# Altium PCB PCB1.PcbDoc (part 15 of 15)
Units mm, origin at the board's own origin, x right, y up, seen from the top; angles counter-clockwise.
Board outline 77.21 x 58.7 mm, 2 copper layers (Top Layer, Bottom Layer); 194 components, 134 nets, 25878 pads, 596 vias.
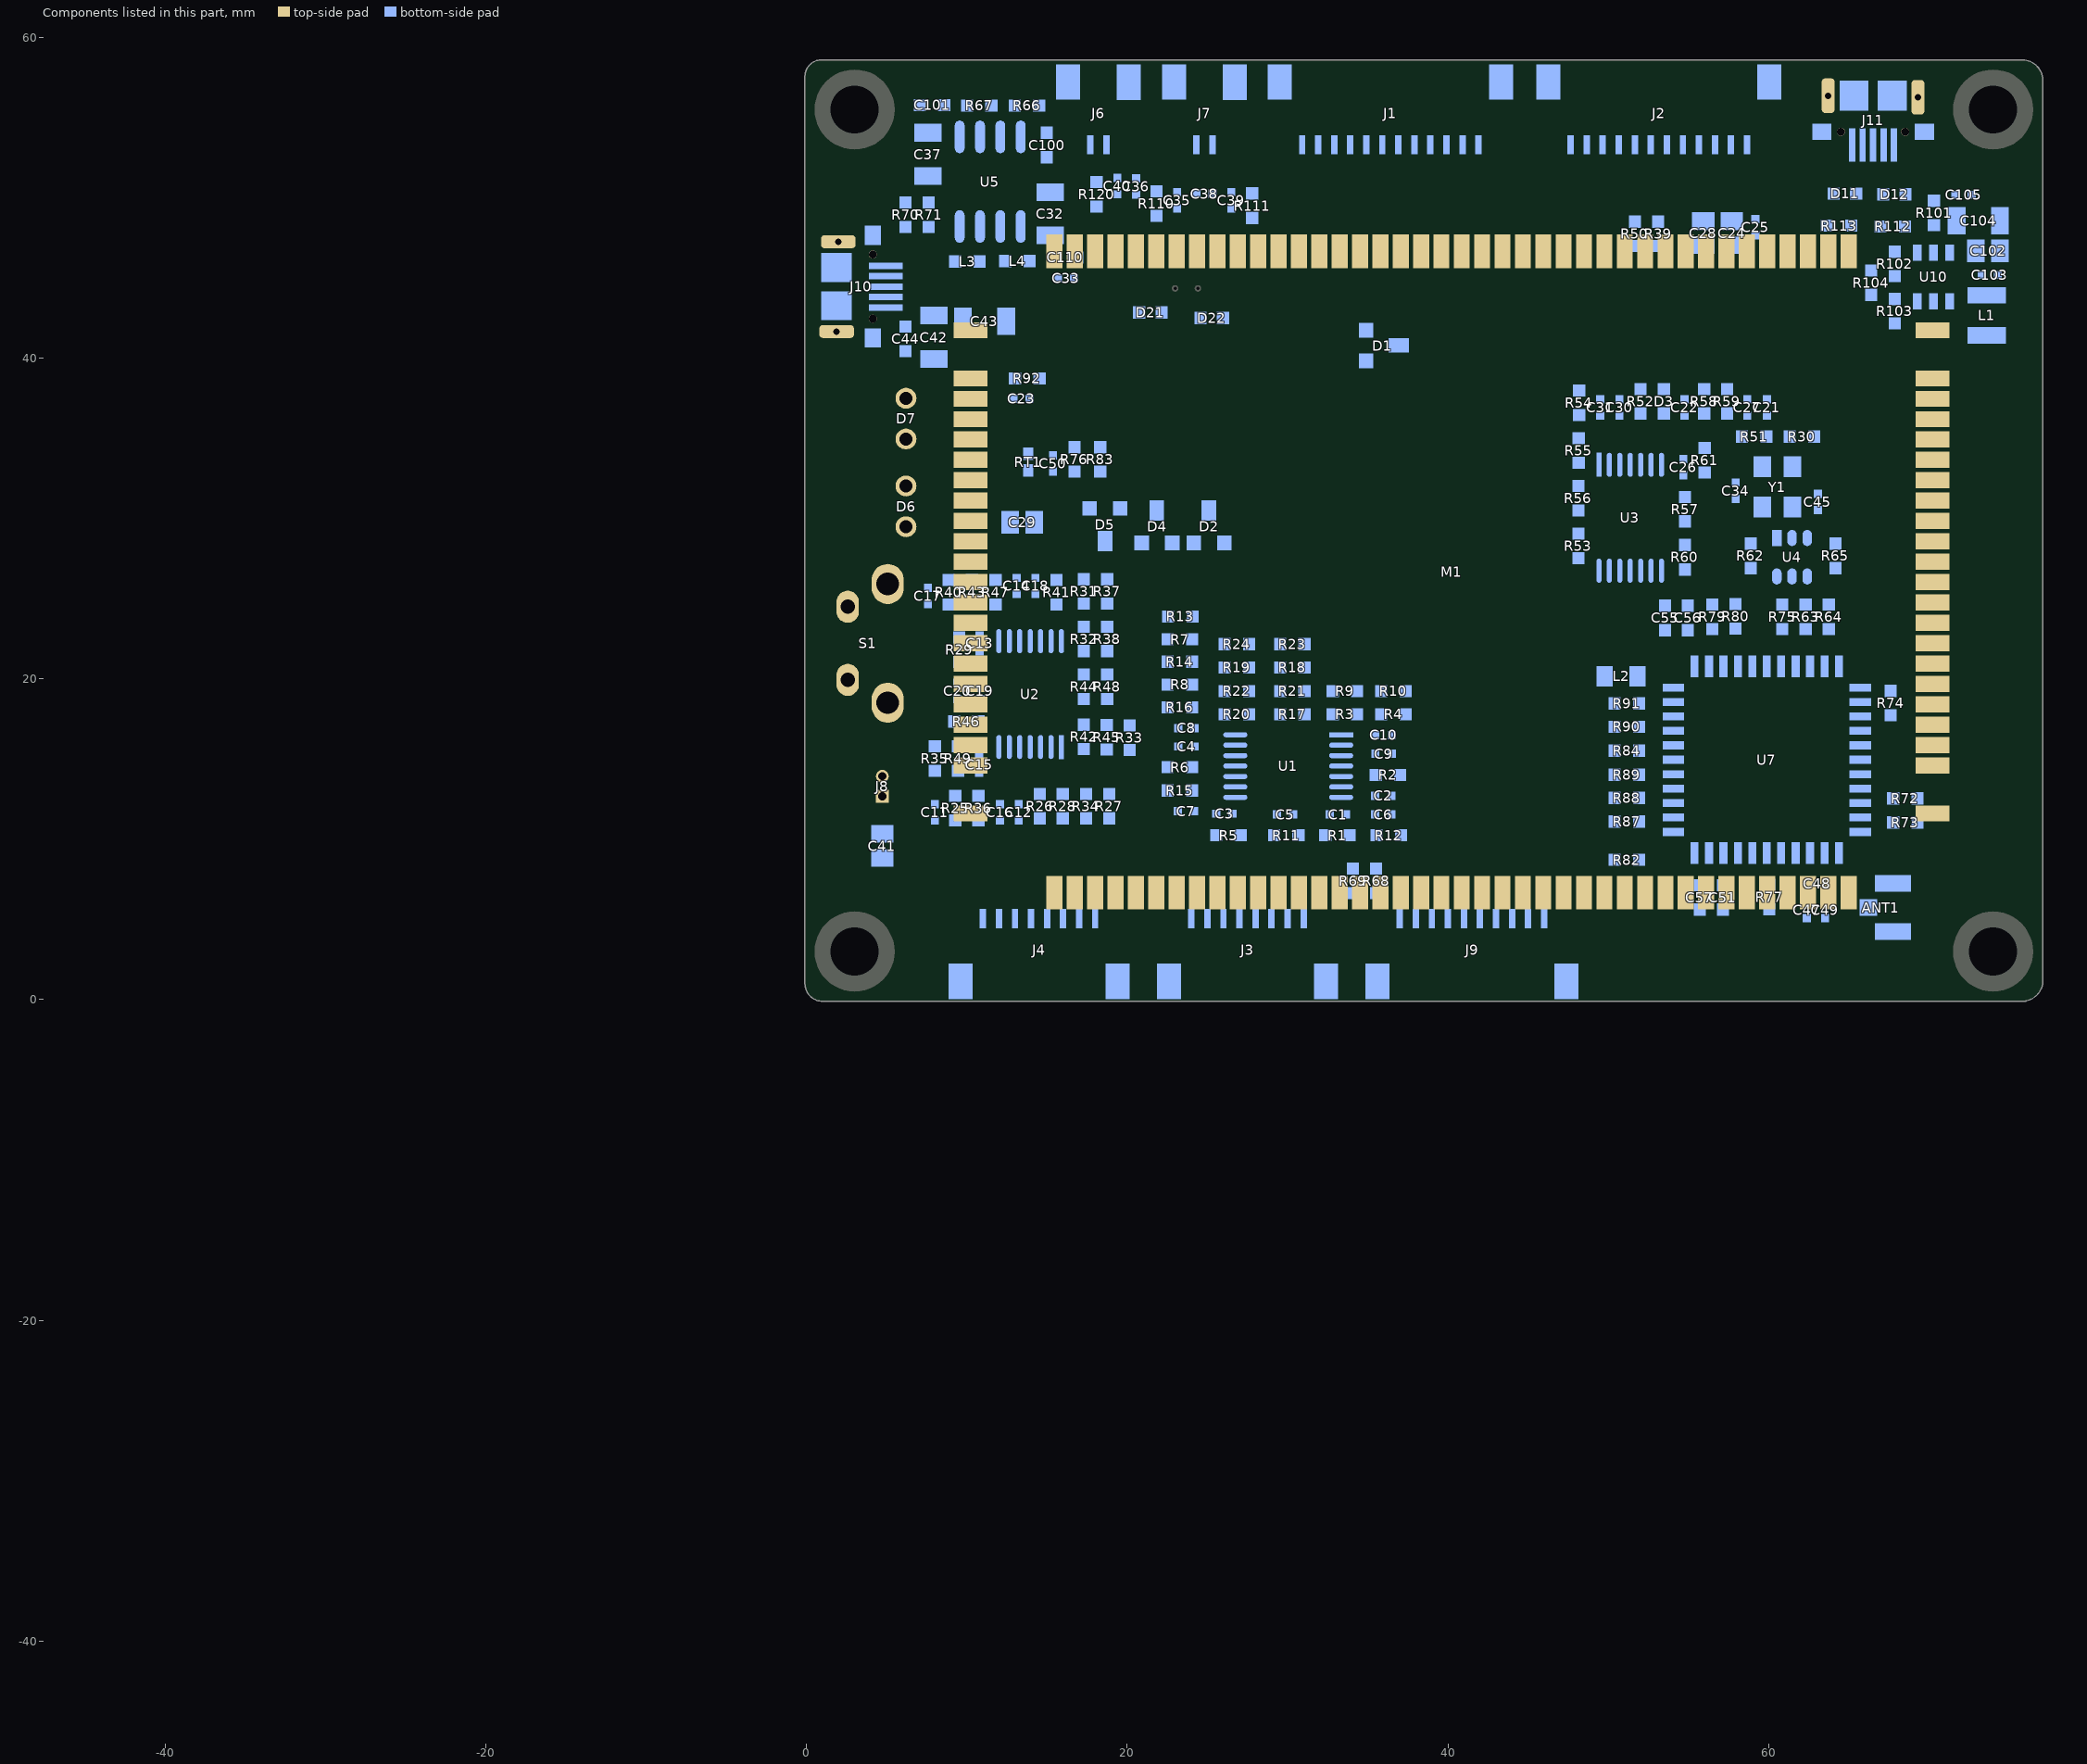
[diagram p15: the components of this part, seen from the top]

## Keep-outs
Keep-Out Layer:
  lines w0.2: -0.635,0 1,0 ; 0,-0.559 0,1 ; 0,54.712 0,56.159 0,57.5 cw(c0.948,57.552) 0.896,58.5 75.747,58.5 cw(c75.806,57.306) 77,57.364 77,55.864 77,54.737 77,1.016 ; 0,54.873 0,1 ; 75.87,0 ccw(c75.811,1.194) 77.006,1.253 ; 76,0 1,0 ; 0,1 ccw(c1,1) 1,0

## Other copper
Top Layer:
  pour cut-out: 61.189,48.514 61.189,47.727 62.763,47.727 62.967,47.93 62.967,48.336 62.941,48.336 62.789,48.489
  pour cut-out: 17.45,38.125 17.475,38.1 18.161,38.1 18.161,34.652 18.307,34.506 18.167,34.366 17.577,34.366 17.577,38.277 17.576,38.277
  pour cut-out: 37.623,45.417 37.623,45.141 38.024,45.542 44.12,45.542 44.12,45.441 44.272,45.288 44.171,45.187 37.643,45.187 37.617,45.212
  pour cut-out: 35.077,45.491 36.347,45.491 36.678,45.161 35.103,45.161 35.103,45.306 35.213,45.417
  pour cut-out: 47.015,45.517 47.523,45.009 47.523,42.171 47.168,41.815 45.136,43.847 45.136,44.628 46.025,45.517
  pour cut-out: 14.834,5.537 14.757,5.461 14.757,5.029 24.638,5.029 25.07,5.461
  pour cut-out: 55.042,5.486 60.579,5.486 61.304,4.762 61.304,4.05 60.853,4.05 60.206,3.404 57.48,3.404 57.468,3.415 57.379,3.326 56.997,3.326 56.631,2.959 56.464,3.125 54.995,3.125 54.995,5.265 55.147,5.417
  pour cut-out: 7.83,35.356 9.018,35.356 9.296,35.077 9.017,34.798 9.017,26.321 8.871,26.175 8.815,26.231 8.433,26.231 8.433,26.568 7.696,27.305 7.696,35.281
  pour cut-out: 33.731,4.597 33.757,4.572 33.757,3.912 35.027,3.912 35.357,4.242
  pour cut-out: 47.803,39.573 47.871,39.642 48.766,39.642 48.766,35.939 47.828,35.001 47.371,35.001 47.371,39.192 47.727,39.548
  pour cut-out: 48.285,45.491 54.864,45.491 55.042,45.314 54.737,45.009 54.737,40.488 54.491,40.488 53.727,39.724 53.186,40.265 51.452,40.265 51.319,40.398 50.167,39.246 50.167,38.551
  pour cut-out: 48.26,44.348 49.775,42.834 49.775,38.116 49.098,37.44 48.489,37.44 48.489,44.018 47.981,44.526
  pour cut-out: 66.097,40.007 69.072,40.007 69.063,39.997 69.063,23.978 66.269,23.978 66.097,24.149
  pour cut-out: 29.331,49.883 29.487,50.039 55.295,50.039 55.829,49.505 55.702,49.378 29.498,49.378 29.204,49.671
Bottom Layer:
  region net +VBS1_5V: 65.456,52.222 65.456,53.619 64.821,53.619 64.821,52.222
  rectangle net USBVBUS: 8.458,42.113 9.703,42.596
  rectangle net USBVBUS: 7.899,42.799 9.601,43.104
  rectangle net USBVBUS: 5.791,42.113 7.798,43.358
  pour cut-out: 61.949,50.292 62.064,50.407 62.099,50.372 62.099,49.645 61.837,49.645 61.747,49.555 61.544,49.759 61.544,50.292
  pour cut-out: 55.905,54.051 56.312,54.051 56.439,53.924 56.312,53.797 56.312,52.756 56.388,52.68 56.331,52.623 56.331,49.625 56.125,49.419 55.956,49.588 55.956,53.95 55.905,54
  pour cut-out: 8.547,15.215 8.49,15.158 8.49,14.954
  pour cut-out: 7.264,15.342 7.313,15.39 8.585,15.39 8.585,15.253 8.395,15.062 8.395,15.05 8.585,14.859 8.585,14.694 7.252,14.694 7.239,14.707 7.239,15.545
  pour cut-out: 50.825,54.127 50.85,54.103 52.291,54.103 53.224,55.036 54.489,55.036 54.813,54.712 54.61,54.508 54.61,52.476 52.271,52.476 52.251,52.497 52.231,52.476 51.664,52.476 51.664,51.841 51.257,51.435 50.952,51.435 50.952,51.867 50.724,52.095 50.8,52.172 50.8,54.127
  pour cut-out: 34.392,7.188 35.306,7.188 35.306,3.293 35.154,3.141 35.145,3.15 34.366,3.15 34.366,6.223 34.163,6.426 34.483,6.747 34.483,7.382
  pour cut-out: 37,8.069 37.483,8.069 38.252,8.839 38.76,8.331 39.624,8.331 39.624,5.279 38.597,4.251 36.597,4.251 36.597,5.431 37,5.834
  pour cut-out: 43,6.526 43.178,6.526 43.739,7.087 43.866,6.96 45.72,6.96 45.72,4.282 45.654,4.216 43.231,4.216 43.231,6.295
  pour cut-out: 56.363,20.015 56.413,19.964 57.531,19.964 57.531,19.077 57.458,19.004 57.336,19.126 57.074,19.126 57.074,19.253 56.464,19.863
  pour cut-out: 71.756,46.247 71.756,45.897 71.78,45.872 72.72,45.872 72.822,45.771 72.822,45.644 72.942,45.644 73.076,45.777 73.076,45.822 72.936,45.822 72.668,46.089 72.178,46.089 72.178,46.165 72.096,46.247
  pour cut-out: 66.751,44.856 66.904,45.009 68.256,45.009 68.561,45.314 68.936,45.314 68.936,45.212 69.164,44.983 68.529,44.348 67.996,44.348 67.996,44.196 67.234,43.434 66.98,43.688 66.98,44.602 66.853,44.729
  pour cut-out: 69.723,49.34 69.723,48.666 69.698,48.641 69.723,48.616 70.942,48.616 71.679,49.352 71.679,50.173 71.112,50.173 70.891,50.394 70.333,49.835 69.935,49.835
  pour cut-out: 64.364,49.784 65.485,49.784 65.608,49.661 65.608,49.149 64.694,49.149 64.516,49.327 64.516,49.678
  pour cut-out: 50.724,51.613 51.435,51.613 51.318,51.495 51.318,49.098 50.952,49.098 51.057,49.203 51.057,51.646
  pour cut-out: 40.081,51.638 40.691,51.638 40.996,51.333 40.996,49.403 40.615,49.403 40.513,49.301 40.234,49.581 40.234,51.567 40.312,51.646
  pour cut-out: 32.381,51.714 37.948,51.714 37.948,49.479 37.795,49.327 37.084,50.038 32.106,50.038 32.106,51.439
  pour cut-out: 18.466,51.486 18.644,51.308 18.507,51.171 18.507,49.883 18.201,49.883 18.085,49.999 18.085,51.486
  pour cut-out: 28.124,49.075 28.126,49.073 29.108,49.073 29.108,43.891 28.423,43.205 28.356,43.272 27.965,43.272 27.965,48.514 28.194,48.743
  pour cut-out: 37.668,40.615 37.668,40.589 46.228,40.589 46.228,39.929 37.541,39.929 37.541,40.615
  pour cut-out: 16.916,11.633 16.942,11.659 16.942,10.816 16.845,10.719 16.434,10.719 16.332,10.82 16.485,10.973 16.485,11.633
  pour cut-out: 33.934,47.752 33.934,45.06 36.132,45.06 36.489,45.417 34.154,47.752
Multi-Layer:
  pour cut-out: 66.929,13.462 68.326,13.462 68.453,13.335 68.351,13.233 68.351,10.287 67.793,9.728 67.031,9.728 67.031,13.493 67.03,13.494
  pour cut-out: 71.247,20.752 73.254,20.752 73.23,20.728 73.23,19.526 73.197,19.526 72.754,19.083 72.754,17.831 72.169,17.247 71.341,17.247 71.341,20.845
  pour cut-out: 67.558,23.056 69.324,23.056 69.342,23.038 69.113,22.809 69.113,22.174 67.695,22.174 67.486,22.384 67.558,22.456

## Silkscreen, mask and mechanical layers (free items; w line width, h text height)
Top Overlay:
  text "AIWAC-bolster V02_20180510" at 37.973,0.914 h1.02
Bottom Overlay:
  lines w0.102: 11.278,13.881 11.976,13.881 ; 11.722,13.627 11.976,13.881 ; 11.722,14.135 11.976,13.881
  lines w0.127: 28.938,21.349 31.733,21.349 ; 31.694,21.349 32.114,21.768 32.114,23.401 32.233,23.52 33.706,23.52 33.871,23.355 33.871,21.298 33.63,21.057 31.725,21.057 31.953,21.285 ; 31.801,21.057 31.941,20.917
  lines w0.2: 16.662,14.757 20.777,14.757 ; 19.469,9.03 19.787,8.712 19.787,14.808 ; 19.774,8.75 20.091,9.068 ; 19.787,8.865 19.863,8.865 ; 28.938,21.349 28.9,21.311 28.9,18.428 28.9,17.158 31.534,17.158 31.694,17.158 31.694,21.349 ; 31.725,21.057 31.801,21.057 ; 62.459,36.5 62.459,35.966 ; 63.017,35.966 62.459,35.966 ; 63.475,35.738 63.83,35.738 63.856,35.763 ; 63.5,35.738 54,35.738 54,32.207 54,25.527 54.077,25.451 63.906,25.451 65.176,25.451 65.176,30.709 ; 65.126,37.363 68.631,37.363 68.656,37.338 68.656,30.81 63.906,30.81 63.906,36.017 63.906,37.262 64.008,37.363 ; 65.303,37.363 64.008,37.363 ; 66.821,46.304 67.151,46.634 ; 66.827,46.311 66.618,46.101 63.322,46.101 63.322,42.189 63.322,41.478 68.097,41.478 68.523,41.478 ; 62.459,35.966 63.856,37.363 64.008,37.363 ; 17.247,6.756 20.168,6.756 20.193,6.731 20.193,8.433 20.142,8.484 17.247,8.484 17.247,6.756
Mechanical 2:
  drawing of 19725 lines, arcs and shapes, not listed
Mechanical 3:
  drawing of 7932 lines, arcs and shapes, not listed
Mechanical 4:
  lines w0: -45.29,-44.016 -45.29,-44.014 ; -45.29,-44.016 -45.288,-44.016 ; -45.29,-44.016 -45.29,-44.014 ; -45.29,-44.016 -45.288,-44.016 ; -45.29,-44.016 -45.288,-44.016 ; -45.29,-44.016 -45.29,-44.014 ; -45.29,-44.014 -45.288,-44.014 ; -45.29,-44.014 -45.288,-44.014 ; -45.29,-44.014 -45.288,-44.014 ; -45.288,-44.016 -45.288,-44.014 ; -45.288,-44.016 -45.288,-44.014 ; -45.288,-44.016 -45.288,-44.014 ; -45.287,-43.985 -45.285,-43.985 ; -45.287,-43.985 -45.287,-43.982 ; -45.287,-43.985 -45.285,-43.985 ; -45.287,-43.985 -45.287,-43.982 ; -45.287,-43.985 -45.287,-43.982 ; -45.287,-43.985 -45.285,-43.985 ; -45.287,-43.982 -45.285,-43.982 ; -45.287,-43.982 -45.285,-43.982 ; -45.287,-43.982 -45.285,-43.982 ; -45.287,-43.974 -45.287,-43.971 ; -45.287,-43.974 -45.285,-43.974 ; -45.287,-43.974 -45.287,-43.971 ; -45.287,-43.974 -45.285,-43.974 ; -45.287,-43.974 -45.285,-43.974 ; -45.287,-43.974 -45.287,-43.971 ; -45.287,-43.971 -45.285,-43.971 ; -45.287,-43.971 -45.285,-43.971 ; -45.287,-43.971 -45.285,-43.971 ; -45.285,-43.974 -45.285,-43.971 ; -45.285,-43.974 -45.285,-43.971 ; -45.285,-43.974 -45.285,-43.971 ; -45.285,-43.985 -45.285,-43.982 ; -45.285,-43.985 -45.285,-43.982 ; -45.285,-43.985 -45.285,-43.982 ; -45.284,-43.984 -45.284,-43.982 ; -45.284,-43.984 -45.281,-43.984 ; -45.284,-43.984 -45.284,-43.982 ; -45.284,-43.984 -45.281,-43.984 ; -45.284,-43.984 -45.281,-43.984 ; -45.284,-43.984 -45.284,-43.982 ; -45.284,-43.982 -45.281,-43.982 ; -45.284,-43.982 -45.281,-43.982 ; -45.284,-43.982 -45.281,-43.982 ; -45.281,-43.996 -45.279,-43.996 ; -45.281,-43.996 -45.281,-43.994 ; -45.281,-43.996 -45.279,-43.996 ; -45.281,-43.996 -45.281,-43.994 ; -45.281,-43.996 -45.281,-43.994 ; -45.281,-43.996 -45.279,-43.996 ; -45.281,-43.994 -45.279,-43.994 ; -45.281,-43.994 -45.279,-43.994 ; -45.281,-43.994 -45.279,-43.994 ; -45.281,-43.984 -45.281,-43.982 ; -45.281,-43.984 -45.281,-43.982 ; -45.281,-43.984 -45.281,-43.982 ; -45.279,-43.996 -45.279,-43.994 ; -45.279,-43.996 -45.279,-43.994 ; -45.279,-43.996 -45.279,-43.994 ; -45.279,-43.978 -45.279,-43.974 ; -45.279,-43.978 -45.278,-43.978 ; -45.279,-43.978 -45.279,-43.974 ; -45.279,-43.978 -45.278,-43.978 ; -45.279,-43.978 -45.278,-43.978 ; -45.279,-43.978 -45.279,-43.974 ; -45.279,-43.974 -45.278,-43.974 ; -45.279,-43.974 -45.278,-43.974 ; -45.279,-43.974 -45.278,-43.974 ; -45.278,-43.978 -45.278,-43.974 ; -45.278,-43.978 -45.278,-43.974 ; -45.278,-43.978 -45.278,-43.974 ; -45.238,-43.978 -45.238,-43.976 ; -45.238,-43.978 -45.237,-43.978 ; -45.238,-43.978 -45.238,-43.976 ; -45.238,-43.978 -45.237,-43.978 ; -45.238,-43.978 -45.237,-43.978 ; -45.238,-43.978 -45.238,-43.976 ; -45.238,-43.976 -45.237,-43.976 ; -45.238,-43.976 -45.237,-43.976 ; -45.238,-43.976 -45.237,-43.976 ; -45.237,-43.978 -45.237,-43.976 ; -45.237,-43.978 -45.237,-43.976 ; -45.237,-43.978 -45.237,-43.976 ; -45.237,-43.978 -45.237,-43.976 ; -45.237,-43.978 -45.235,-43.978 ; -45.237,-43.978 -45.237,-43.976 ; -45.237,-43.978 -45.235,-43.978 ; -45.237,-43.978 -45.235,-43.978 ; -45.237,-43.978 -45.237,-43.976 ; -45.237,-43.976 -45.235,-43.976 ; -45.237,-43.976 -45.235,-43.976 ; -45.237,-43.976 -45.235,-43.976 ; -45.235,-43.978 -45.235,-43.976 ; -45.235,-43.978 -45.235,-43.976 ; -45.235,-43.978 -45.235,-43.976 ; -45.222,-43.977 -45.222,-43.975 ; -45.222,-43.977 -45.219,-43.977 ; -45.222,-43.977 -45.222,-43.975 ; -45.222,-43.977 -45.219,-43.977 ; -45.222,-43.977 -45.219,-43.977 ; -45.222,-43.977 -45.222,-43.975 ; -45.222,-43.975 -45.219,-43.975 ; -45.222,-43.975 -45.219,-43.975 ; -45.222,-43.975 -45.219,-43.975 ; -45.221,-43.979 -45.219,-43.979 ; -45.221,-43.979 -45.221,-43.978 ; -45.221,-43.979 -45.219,-43.979 ; -45.221,-43.979 -45.221,-43.978 ; -45.221,-43.979 -45.221,-43.978 ; -45.221,-43.979 -45.219,-43.979 ; -45.221,-43.978 -45.219,-43.978 ; -45.221,-43.978 -45.219,-43.978 ; -45.221,-43.978 -45.219,-43.978 ; -45.219,-43.979 -45.219,-43.978 ; -45.219,-43.979 -45.219,-43.978 ; -45.219,-43.979 -45.219,-43.978 ; -45.219,-43.977 -45.219,-43.975 ; -45.219,-43.977 -45.219,-43.975 ; -45.219,-43.977 -45.219,-43.975
Mechanical 5:
  drawing of 420 lines, arcs and shapes, not listed
Mechanical 6:
  lines w0: -45.264,-44.001 -45.264,-43.987 ; -45.264,-44.001 -45.25,-44.001 ; -45.264,-44.001 -45.264,-43.987 ; -45.264,-44.001 -45.25,-44.001 ; -45.264,-44.001 -45.25,-44.001 ; -45.264,-44.001 -45.264,-43.987 ; -45.264,-43.987 -45.25,-43.987 ; -45.264,-43.987 -45.25,-43.987 ; -45.264,-43.987 -45.25,-43.987 ; -45.25,-44.001 -45.25,-43.987 ; -45.25,-44.001 -45.25,-43.987 ; -45.25,-44.001 -45.25,-43.987
Mechanical 8:
  drawing of 9558 lines, arcs and shapes, not listed
  text "U5" at -45.288,-43.973 h0 r90
  text "U5" at -45.288,-43.973 h0 r90
  text "U5" at -45.288,-43.973 h0 r90
  text "C37" at -45.287,-43.972 h0
  text "C37" at -45.287,-43.972 h0
  text "C37" at -45.287,-43.972 h0
  text "R70" at -45.287,-43.978 h0 r90
  text "R70" at -45.287,-43.978 h0 r90
  text "R70" at -45.287,-43.978 h0 r90
  text "R71" at -45.286,-43.978 h0 r90
  text "R71" at -45.286,-43.978 h0 r90
  text "R71" at -45.286,-43.978 h0 r90
  text "C101" at -45.285,-43.968 h0
  text "C101" at -45.285,-43.968 h0
  text "C101" at -45.285,-43.968 h0
  text "R67" at -45.282,-43.968 h0
  text "R67" at -45.282,-43.968 h0
  text "R67" at -45.282,-43.968 h0
  text "R66" at -45.28,-43.968 h0
  text "R66" at -45.28,-43.968 h0
  text "R66" at -45.28,-43.968 h0
  text "C100" at -45.277,-43.971 h0 r90
  text "C100" at -45.277,-43.971 h0 r90
  text "C100" at -45.277,-43.971 h0 r90
  text "R120" at -45.276,-43.974 h0 r90
  text "R120" at -45.276,-43.974 h0 r90
  text "R120" at -45.276,-43.974 h0 r90
  text "C32" at -45.276,-43.978 h0
  text "C32" at -45.276,-43.978 h0
  text "C32" at -45.276,-43.978 h0
  text "C110" at -45.274,-43.979 h0
  text "C110" at -45.274,-43.979 h0
  text "C110" at -45.274,-43.979 h0
  text "C40" at -45.274,-43.972 h0 r90
  text "C40" at -45.274,-43.972 h0 r90
  text "C40" at -45.274,-43.972 h0 r90
  text "C36" at -45.273,-43.972 h0 r90
  text "C36" at -45.273,-43.972 h0 r90
  text "C36" at -45.273,-43.972 h0 r90
  text "J6" at -45.272,-43.97 h0
  text "J6" at -45.272,-43.97 h0
  text "J6" at -45.272,-43.97 h0
  text "R110" at -45.272,-43.972 h0 r90
  text "R110" at -45.272,-43.972 h0 r90
  text "R110" at -45.272,-43.972 h0 r90
  text "C35" at -45.27,-43.972 h0 r90
  text "C35" at -45.27,-43.972 h0 r90
  text "C35" at -45.27,-43.972 h0 r90
  text "C38" at -45.268,-43.974 h0
  text "C38" at -45.268,-43.974 h0
  text "C38" at -45.268,-43.974 h0
  text "C39" at -45.267,-43.972 h0 r90
  text "C39" at -45.267,-43.972 h0 r90
  text "C39" at -45.267,-43.972 h0 r90
  text "R111" at -45.266,-43.972 h0 r90
  text "R111" at -45.266,-43.972 h0 r90
  text "R111" at -45.266,-43.972 h0 r90
  text "J7" at -45.265,-43.97 h0
  text "J7" at -45.265,-43.97 h0
  text "J7" at -45.265,-43.97 h0
  text "J1" at -45.249,-43.972 h0
  text "J1" at -45.249,-43.972 h0
  text "J1" at -45.249,-43.972 h0
  text "J2" at -45.245,-43.974 h0
  text "J2" at -45.245,-43.974 h0
  text "J2" at -45.245,-43.974 h0
  text "R50" at -45.242,-43.979 h0 r90
  text "R50" at -45.242,-43.979 h0 r90
  text "R50" at -45.242,-43.979 h0 r90
  text "R39" at -45.24,-43.979 h0 r90
  text "R39" at -45.24,-43.979 h0 r90
  text "R39" at -45.24,-43.979 h0 r90
  text "C28" at -45.238,-43.979 h0 r90
  text "C28" at -45.238,-43.979 h0 r90
  text "C28" at -45.238,-43.979 h0 r90
  text "C24" at -45.236,-43.979 h0 r90
  text "C24" at -45.236,-43.979 h0 r90
  text "C24" at -45.236,-43.979 h0 r90
  text "C25" at -45.234,-43.979 h0 r90
  text "C25" at -45.234,-43.979 h0 r90
  text "C25" at -45.234,-43.979 h0 r90
  text "J11" at -45.231,-43.971 h0
  text "J11" at -45.231,-43.971 h0
  text "J11" at -45.231,-43.971 h0
  text "R104" at -45.23,-43.98 h0 r90
  text "R104" at -45.23,-43.98 h0 r90
  text "R104" at -45.23,-43.98 h0 r90
  text "D11" at -45.229,-43.974 h0
  text "D11" at -45.229,-43.974 h0
  text "D11" at -45.229,-43.974 h0
  text "R102" at -45.228,-43.979 h0 r90
  text "R102" at -45.228,-43.979 h0 r90
  text "R102" at -45.228,-43.979 h0 r90
  text "R113" at -45.228,-43.976 h0
  text "R113" at -45.228,-43.976 h0
  text "R113" at -45.228,-43.976 h0
  text "D12" at -45.225,-43.974 h0
  text "D12" at -45.225,-43.974 h0
  text "D12" at -45.225,-43.974 h0
  text "R112" at -45.225,-43.976 h0
  text "R112" at -45.225,-43.976 h0
  text "R112" at -45.225,-43.976 h0
  text "R101" at -45.223,-43.973 h0 r90
  text "R101" at -45.223,-43.973 h0 r90
  text "R101" at -45.223,-43.973 h0 r90
  text "C105" at -45.22,-43.974 h0
  text "C105" at -45.22,-43.974 h0
  text "C105" at -45.22,-43.974 h0
  text "C104" at -45.217,-43.975 h0
  text "C104" at -45.217,-43.975 h0
  text "C104" at -45.217,-43.975 h0
  text "C102" at -45.217,-43.975 h0
  text "C102" at -45.217,-43.975 h0
  text "C102" at -45.217,-43.975 h0
  text "C103" at -45.217,-43.98 h0
  text "C103" at -45.217,-43.98 h0
  text "C103" at -45.217,-43.98 h0
  text "J10" at -45.291,-43.985 h0 r90
  text "J10" at -45.291,-43.985 h0 r90
  text "J10" at -45.291,-43.985 h0 r90
  text "C44" at -45.287,-43.98 h0 r90
  text "C44" at -45.287,-43.98 h0 r90
  text "C44" at -45.287,-43.98 h0 r90
  text "C17" at -45.286,-43.997 h0 r90
  text "C17" at -45.286,-43.997 h0 r90
  text "C17" at -45.286,-43.997 h0 r90
  text "R29" at -45.286,-44.002 h0 r90
  text "R29" at -45.286,-44.002 h0 r90
  text "R29" at -45.286,-44.002 h0 r90
  text "D7" at -45.286,-43.989 h0 r90
  text "D7" at -45.286,-43.989 h0 r90
  text "D7" at -45.286,-43.989 h0 r90
  text "D6" at -45.285,-43.994 h0 r90
  text "D6" at -45.285,-43.994 h0 r90
  text "D6" at -45.285,-43.994 h0 r90
  text "C42" at -45.285,-43.98 h0 r90
  text "C42" at -45.285,-43.98 h0 r90
  text "C42" at -45.285,-43.98 h0 r90
  text "C13" at -45.285,-44.002 h0 r90
  text "C13" at -45.285,-44.002 h0 r90
  text "C13" at -45.285,-44.002 h0 r90
  text "R40" at -45.284,-43.997 h0 r90
  text "R40" at -45.284,-43.997 h0 r90
  text "R40" at -45.284,-43.997 h0 r90
  text "L3" at -45.283,-43.98 h0
  text "L3" at -45.283,-43.98 h0
  text "L3" at -45.283,-43.98 h0
  text "R43" at -45.283,-43.997 h0 r90
  text "R43" at -45.283,-43.997 h0 r90
  text "R43" at -45.283,-43.997 h0 r90
  text "C29" at -45.282,-43.995 h0
  text "C29" at -45.282,-43.995 h0
  text "C29" at -45.282,-43.995 h0
  text "R47" at -45.282,-43.997 h0 r90
  text "R47" at -45.282,-43.997 h0 r90
  text "R47" at -45.282,-43.997 h0 r90
  text "U2" at -45.281,-44.002 h0 r270
  text "U2" at -45.281,-44.002 h0 r270
  text "U2" at -45.281,-44.002 h0 r270
  text "C14" at -45.28,-43.997 h0 r90
  text "C14" at -45.28,-43.997 h0 r90
  text "C14" at -45.28,-43.997 h0 r90
  text "L4" at -45.28,-43.98 h0
  text "L4" at -45.28,-43.98 h0
  text "L4" at -45.28,-43.98 h0
  text "RT1" at -45.28,-43.989 h0 r90
  text "RT1" at -45.28,-43.989 h0 r90
  text "RT1" at -45.28,-43.989 h0 r90
  text "C18" at -45.279,-43.997 h0 r90
  text "C18" at -45.279,-43.997 h0 r90
  text "C18" at -45.279,-43.997 h0 r90
  text "C43" at -45.279,-43.983 h0
  text "C43" at -45.279,-43.983 h0
  text "C43" at -45.279,-43.983 h0
  text "R41" at -45.278,-43.997 h0 r90
  text "R41" at -45.278,-43.997 h0 r90
  text "R41" at -45.278,-43.997 h0 r90
  text "C50" at -45.278,-43.988 h0 r90
  text "C50" at -45.278,-43.988 h0 r90
  text "C50" at -45.278,-43.988 h0 r90
  text "R76" at -45.277,-43.988 h0 r90
  text "R92" at -45.277,-43.986 h0
  text "R76" at -45.277,-43.988 h0 r90
  text "R92" at -45.277,-43.986 h0
  text "R92" at -45.277,-43.986 h0
  text "R76" at -45.277,-43.988 h0 r90
  text "C23" at -45.277,-43.988 h0
  text "C23" at -45.277,-43.988 h0
  text "C23" at -45.277,-43.988 h0
  text "D5" at -45.276,-43.998 h0
  text "D5" at -45.276,-43.998 h0
  text "D5" at -45.276,-43.998 h0
  text "R83" at -45.275,-43.988 h0 r90
  text "R83" at -45.275,-43.988 h0 r90
  text "R83" at -45.275,-43.988 h0 r90
  text "C33" at -45.274,-43.98 h0
  text "C33" at -45.274,-43.98 h0
  text "C33" at -45.274,-43.98 h0
  text "R31" at -45.273,-44 h0 r90
  text "R44" at -45.273,-44.005 h0 r90
  text "R31" at -45.273,-44 h0 r90
  text "R44" at -45.273,-44.005 h0 r90
  text "R44" at -45.273,-44.005 h0 r90
  text "R31" at -45.273,-44 h0 r90
  text "R32" at -45.273,-44.002 h0 r90
  text "R32" at -45.273,-44.002 h0 r90
  text "R32" at -45.273,-44.002 h0 r90
  text "R48" at -45.273,-44.005 h0 r90
  text "R48" at -45.273,-44.005 h0 r90
  text "R48" at -45.273,-44.005 h0 r90
  text "R37" at -45.273,-44 h0 r90
  text "R37" at -45.273,-44 h0 r90
  text "R37" at -45.273,-44 h0 r90
  text "R38" at -45.273,-44.002 h0 r90
  text "R38" at -45.273,-44.002 h0 r90
  text "R38" at -45.273,-44.002 h0 r90
  text "D4" at -45.273,-43.998 h0
  text "D4" at -45.273,-43.998 h0
  text "D4" at -45.273,-43.998 h0
  text "D21" at -45.271,-43.983 h0
  text "D21" at -45.271,-43.983 h0
  text "D21" at -45.271,-43.983 h0
  text "R7" at -45.27,-43.998 h0
  text "R13" at -45.27,-43.998 h0
  text "R14" at -45.27,-43.999 h0
  text "R7" at -45.27,-43.998 h0
  text "R13" at -45.27,-43.998 h0
  text "R14" at -45.27,-43.999 h0
  text "R14" at -45.27,-43.999 h0
  text "R13" at -45.27,-43.998 h0
  text "R7" at -45.27,-43.998 h0
  text "R8" at -45.27,-44 h0
  text "R16" at -45.27,-44 h0
  text "R8" at -45.27,-44 h0
  text "R16" at -45.27,-44 h0
  text "R16" at -45.27,-44 h0
  text "R8" at -45.27,-44 h0
  text "D22" at -45.268,-43.984 h0
  text "D22" at -45.268,-43.984 h0
  text "D22" at -45.268,-43.984 h0
  text "D2" at -45.267,-43.998 h0
  text "D2" at -45.267,-43.998 h0
  text "D2" at -45.267,-43.998 h0
  text "R19" at -45.266,-44 h0
  text "R24" at -45.266,-44 h0
  text "R19" at -45.266,-44 h0
  text "R24" at -45.266,-44 h0
  text "R24" at -45.266,-44 h0
  text "R19" at -45.266,-44 h0
  text "R20" at -45.266,-44.002 h0
  text "R22" at -45.266,-44.001 h0
  text "R20" at -45.266,-44.002 h0
  text "R22" at -45.266,-44.001 h0
  text "R22" at -45.266,-44.001 h0
  text "R20" at -45.266,-44.002 h0
  text "R23" at -45.263,-44.002 h0
  text "R23" at -45.263,-44.002 h0
  text "R23" at -45.263,-44.002 h0
  text "R18" at -45.26,-44.002 h0
  text "R21" at -45.26,-44.003 h0
  text "R18" at -45.26,-44.002 h0
  text "R21" at -45.26,-44.003 h0
  text "R21" at -45.26,-44.003 h0
  text "R18" at -45.26,-44.002 h0
  text "R17" at -45.26,-44.004 h0
  text "R17" at -45.26,-44.004 h0
  text "R17" at -45.26,-44.004 h0
  text "R3" at -45.259,-44.005 h0
  text "R3" at -45.259,-44.005 h0
  text "R3" at -45.259,-44.005 h0
  text "R9" at -45.259,-44.004 h0
  text "R9" at -45.259,-44.004 h0
  text "R9" at -45.259,-44.004 h0
  text "D1" at -45.255,-43.984 h0 r90
  text "D1" at -45.255,-43.984 h0 r90
  text "D1" at -45.255,-43.984 h0 r90
  text "R10" at -45.254,-44.005 h0
  text "R10" at -45.254,-44.005 h0
  text "R10" at -45.254,-44.005 h0
  text "R55" at -45.248,-43.99 h0 r90
  text "R55" at -45.248,-43.99 h0 r90
  text "R55" at -45.248,-43.99 h0 r90
  text "R54" at -45.248,-43.987 h0 r90
  text "R56" at -45.248,-43.993 h0 r90
  text "R54" at -45.248,-43.987 h0 r90
  text "R56" at -45.248,-43.993 h0 r90
  text "R56" at -45.248,-43.993 h0 r90
  text "R54" at -45.248,-43.987 h0 r90
  text "R53" at -45.248,-43.996 h0 r90
  text "R53" at -45.248,-43.996 h0 r90
  text "R53" at -45.248,-43.996 h0 r90
  text "L2" at -45.245,-44.004 h0
  text "L2" at -45.245,-44.004 h0
  text "L2" at -45.245,-44.004 h0
  text "C31" at -45.244,-43.984 h0 r90
  text "C31" at -45.244,-43.984 h0 r90
  text "C31" at -45.244,-43.984 h0 r90
  text "C55" at -45.244,-44.002 h0 r90
  text "C55" at -45.244,-44.002 h0 r90
  text "C55" at -45.244,-44.002 h0 r90
  text "C30" at -45.243,-43.984 h0 r90
  text "C30" at -45.243,-43.984 h0 r90
  text "C30" at -45.243,-43.984 h0 r90
  text "C56" at -45.243,-44.002 h0 r90
  text "C56" at -45.243,-44.002 h0 r90
  text "C56" at -45.243,-44.002 h0 r90
  text "U3" at -45.242,-43.999 h0 r90
  text "U3" at -45.242,-43.999 h0 r90
  text "U3" at -45.242,-43.999 h0 r90
  text "R79" at -45.242,-44.002 h0 r90
  text "R79" at -45.242,-44.002 h0 r90
  text "R79" at -45.242,-44.002 h0 r90
  text "R52" at -45.242,-43.984 h0 r90
  text "R52" at -45.242,-43.984 h0 r90
  text "R52" at -45.242,-43.984 h0 r90
  text "R80" at -45.241,-44.002 h0 r90
  text "R80" at -45.241,-44.002 h0 r90
  text "R80" at -45.241,-44.002 h0 r90
  text "D3" at -45.24,-43.984 h0 r90
  text "D3" at -45.24,-43.984 h0 r90
  text "D3" at -45.24,-43.984 h0 r90
  text "C22" at -45.239,-43.985 h0 r90
  text "C22" at -45.239,-43.985 h0 r90
  text "C22" at -45.239,-43.985 h0 r90
  text "R58" at -45.237,-43.985 h0 r90
  text "R58" at -45.237,-43.985 h0 r90
  text "R58" at -45.237,-43.985 h0 r90
  text "R59" at -45.236,-43.985 h0 r90
  text "R59" at -45.236,-43.985 h0 r90
  text "R59" at -45.236,-43.985 h0 r90
  text "C27" at -45.235,-43.985 h0 r90
  text "C27" at -45.235,-43.985 h0 r90
  text "C27" at -45.235,-43.985 h0 r90
  text "C21" at -45.234,-43.985 h0 r90
  text "C21" at -45.234,-43.985 h0 r90
  text "C21" at -45.234,-43.985 h0 r90
  text "C26" at -45.229,-43.989 h0 r90
  text "R60" at -45.229,-43.993 h0 r90
  text "C26" at -45.229,-43.989 h0 r90
  text "R60" at -45.229,-43.993 h0 r90
  text "R60" at -45.229,-43.993 h0 r90
  text "C26" at -45.229,-43.989 h0 r90
  text "R57" at -45.229,-43.991 h0 r90
  text "R57" at -45.229,-43.991 h0 r90
  text "R57" at -45.229,-43.991 h0 r90
  text "R103" at -45.228,-43.981 h0 r90
  text "R103" at -45.228,-43.981 h0 r90
  text "R103" at -45.228,-43.981 h0 r90
  text "R61" at -45.228,-43.989 h0 r90
  text "R61" at -45.228,-43.989 h0 r90
  text "R61" at -45.228,-43.989 h0 r90
  text "R75" at -45.228,-44.002 h0 r90
  text "R75" at -45.228,-44.002 h0 r90
  text "R75" at -45.228,-44.002 h0 r90
  text "R63" at -45.228,-44.002 h0 r90
  text "R63" at -45.228,-44.002 h0 r90
  text "R63" at -45.228,-44.002 h0 r90
  text "R51" at -45.227,-43.988 h0
  text "R51" at -45.227,-43.988 h0
  text "R51" at -45.227,-43.988 h0
  text "C34" at -45.227,-43.99 h0 r90
  text "C34" at -45.227,-43.99 h0 r90
  text "C34" at -45.227,-43.99 h0 r90
  text "R62" at -45.227,-43.992 h0 r90
  text "R62" at -45.227,-43.992 h0 r90
  text "R62" at -45.227,-43.992 h0 r90
  text "R64" at -45.227,-44.002 h0 r90
  text "R64" at -45.227,-44.002 h0 r90
  text "R64" at -45.227,-44.002 h0 r90
  text "Y1" at -45.226,-43.99 h0
  text "Y1" at -45.226,-43.99 h0
  text "Y1" at -45.226,-43.99 h0
  text "U4" at -45.226,-43.992 h0 r90
  text "U4" at -45.226,-43.992 h0 r90
  text "U4" at -45.226,-43.992 h0 r90
  text "R30" at -45.226,-43.989 h0
  text "R30" at -45.226,-43.989 h0
  text "R30" at -45.226,-43.989 h0
  text "C45" at -45.225,-43.99 h0 r90
  text "C45" at -45.225,-43.99 h0 r90
  text "C45" at -45.225,-43.99 h0 r90
  text "R65" at -45.225,-43.992 h0 r90
  text "R65" at -45.225,-43.992 h0 r90
  text "R65" at -45.225,-43.992 h0 r90
  text "U10" at -45.223,-43.984 h0 r270
  text "U10" at -45.223,-43.984 h0 r270
  text "U10" at -45.223,-43.984 h0 r270
  text "L1" at -45.217,-43.983 h0 r90
  text "L1" at -45.217,-43.983 h0 r90
  text "L1" at -45.217,-43.983 h0 r90
  text "J8" at -45.291,-44.012 h0 r90
  text "J8" at -45.291,-44.012 h0 r90
  text "J8" at -45.291,-44.012 h0 r90
  text "S1" at -45.29,-44.008 h0 r90
  text "S1" at -45.29,-44.008 h0 r90
  text "S1" at -45.29,-44.008 h0 r90
  text "C41" at -45.29,-44.014 h0 r90
  text "C41" at -45.29,-44.014 h0 r90
  text "C41" at -45.29,-44.014 h0 r90
  text "R35" at -45.287,-44.009 h0 r90
  text "R35" at -45.287,-44.009 h0 r90
  text "R35" at -45.287,-44.009 h0 r90
  text "R49" at -45.287,-44.009 h0 r90
  text "R49" at -45.287,-44.009 h0 r90
  text "R49" at -45.287,-44.009 h0 r90
  text "C20" at -45.286,-44.006 h0 r90
  text "C20" at -45.286,-44.006 h0 r90
  text "C20" at -45.286,-44.006 h0 r90
  text "C11" at -45.285,-44.015 h0 r90
  text "C11" at -45.285,-44.015 h0 r90
  text "C11" at -45.285,-44.015 h0 r90
  text "R46" at -45.285,-44.008 h0
  text "R46" at -45.285,-44.008 h0
  text "R46" at -45.285,-44.008 h0
  text "C19" at -45.285,-44.006 h0 r90
  text "C19" at -45.285,-44.006 h0 r90
  text "C19" at -45.285,-44.006 h0 r90
  text "R25" at -45.284,-44.015 h0 r90
  text "R25" at -45.284,-44.015 h0 r90
  text "R25" at -45.284,-44.015 h0 r90
  text "R36" at -45.283,-44.015 h0 r90
  text "R36" at -45.283,-44.015 h0 r90
  text "R36" at -45.283,-44.015 h0 r90
  text "C16" at -45.281,-44.015 h0 r90
  text "C16" at -45.281,-44.015 h0 r90
  text "C16" at -45.281,-44.015 h0 r90
  text "C15" at -45.281,-44.01 h0 r90
  text "C15" at -45.281,-44.01 h0 r90
  text "C15" at -45.281,-44.01 h0 r90
  text "C12" at -45.28,-44.015 h0 r90
  text "C12" at -45.28,-44.015 h0 r90
  text "C12" at -45.28,-44.015 h0 r90
  text "R26" at -45.279,-44.015 h0 r90
  text "R26" at -45.279,-44.015 h0 r90
  text "R26" at -45.279,-44.015 h0 r90
  text "R28" at -45.277,-44.015 h0 r90
  text "R28" at -45.277,-44.015 h0 r90
  text "R28" at -45.277,-44.015 h0 r90
  text "R34" at -45.276,-44.015 h0 r90
  text "R34" at -45.276,-44.015 h0 r90
  text "R34" at -45.276,-44.015 h0 r90
  text "R42" at -45.276,-44.017 h0 r90
  text "R42" at -45.276,-44.017 h0 r90
  text "R42" at -45.276,-44.017 h0 r90
  text "R45" at -45.275,-44.017 h0 r90
  text "R45" at -45.275,-44.017 h0 r90
  text "R45" at -45.275,-44.017 h0 r90
  text "R27" at -45.275,-44.014 h0 r90
  text "R27" at -45.275,-44.014 h0 r90
  text "R27" at -45.275,-44.014 h0 r90
  text "R33" at -45.274,-44.017 h0 r90
  text "R33" at -45.274,-44.017 h0 r90
  text "R33" at -45.274,-44.017 h0 r90
  text "J4" at -45.273,-44.02 h0
  text "J4" at -45.273,-44.02 h0
  text "J4" at -45.273,-44.02 h0
  text "R6" at -45.272,-44.011 h0
  text "R6" at -45.272,-44.011 h0
  text "R6" at -45.272,-44.011 h0
  text "C7" at -45.272,-44.014 h0
  text "R15" at -45.272,-44.012 h0
  text "C7" at -45.272,-44.014 h0
  text "R15" at -45.272,-44.012 h0
  text "R15" at -45.272,-44.012 h0
  text "C7" at -45.272,-44.014 h0
  text "C8" at -45.272,-44.008 h0
  text "C8" at -45.272,-44.008 h0
  text "C8" at -45.272,-44.008 h0
  text "C4" at -45.271,-44.009 h0
  text "C4" at -45.271,-44.009 h0
  text "C4" at -45.271,-44.009 h0
  text "U1" at -45.268,-44.011 h0
  text "U1" at -45.268,-44.011 h0
  text "U1" at -45.268,-44.011 h0
  text "C3" at -45.267,-44.016 h0
  text "R5" at -45.267,-44.017 h0
  text "C3" at -45.267,-44.016 h0
  text "R5" at -45.267,-44.017 h0
  text "R5" at -45.267,-44.017 h0
  text "C3" at -45.267,-44.016 h0
  text "C5" at -45.263,-44.016 h0
  text "C5" at -45.263,-44.016 h0
  text "C5" at -45.263,-44.016 h0
  text "R11" at -45.263,-44.017 h0
  text "R11" at -45.263,-44.017 h0
  text "R11" at -45.263,-44.017 h0
  text "C1" at -45.261,-44.016 h0
  text "R1" at -45.261,-44.017 h0
  text "C1" at -45.261,-44.016 h0
  text "R1" at -45.261,-44.017 h0
  text "R1" at -45.261,-44.017 h0
  text "C1" at -45.261,-44.016 h0
  text "R69" at -45.261,-44.017 h0 r90
  text "R69" at -45.261,-44.017 h0 r90
  text "R69" at -45.261,-44.017 h0 r90
  text "J3" at -45.26,-44.02 h0
  text "J3" at -45.26,-44.02 h0
  text "J3" at -45.26,-44.02 h0
  text "R68" at -45.257,-44.017 h0 r90
  text "R68" at -45.257,-44.017 h0 r90
  text "R68" at -45.257,-44.017 h0 r90
  text "C9" at -45.255,-44.01 h0
  text "C9" at -45.255,-44.01 h0
  text "C9" at -45.255,-44.01 h0
  text "C2" at -45.255,-44.013 h0
  text "C2" at -45.255,-44.013 h0
  text "C2" at -45.255,-44.013 h0
  text "C6" at -45.255,-44.014 h0
  text "C6" at -45.255,-44.014 h0
  text "C6" at -45.255,-44.014 h0
  text "R2" at -45.255,-44.012 h0
  text "R2" at -45.255,-44.012 h0
  text "R2" at -45.255,-44.012 h0
  text "R12" at -45.254,-44.015 h0
  text "R12" at -45.254,-44.015 h0
  text "R12" at -45.254,-44.015 h0
  text "R4" at -45.254,-44.007 h0
  text "R4" at -45.254,-44.007 h0
  text "R4" at -45.254,-44.007 h0
  text "C10" at -45.254,-44.009 h0
  text "C10" at -45.254,-44.009 h0
  text "C10" at -45.254,-44.009 h0
  text "J9" at -45.245,-44.019 h0
  text "J9" at -45.245,-44.019 h0
  text "J9" at -45.245,-44.019 h0
  text "R82" at -45.245,-44.017 h0
  text "R84" at -45.245,-44.01 h0
  text "R87" at -45.245,-44.014 h0
  text "R88" at -45.245,-44.013 h0
  text "R89" at -45.245,-44.011 h0
  text "R90" at -45.245,-44.008 h0
  text "R91" at -45.245,-44.006 h0
  text "R82" at -45.245,-44.017 h0
  text "R84" at -45.245,-44.01 h0
  text "R87" at -45.245,-44.014 h0
  text "R88" at -45.245,-44.013 h0
  text "R89" at -45.245,-44.011 h0
  text "R90" at -45.245,-44.008 h0
  text "R91" at -45.245,-44.006 h0
  text "R91" at -45.245,-44.006 h0
  text "R90" at -45.245,-44.008 h0
  text "R89" at -45.245,-44.011 h0
  text "R88" at -45.245,-44.013 h0
  text "R87" at -45.245,-44.014 h0
  text "R84" at -45.245,-44.01 h0
  text "R82" at -45.245,-44.017 h0
  text "C57" at -45.238,-44.02 h0 r90
  text "C57" at -45.238,-44.02 h0 r90
  text "C57" at -45.238,-44.02 h0 r90
  text "C51" at -45.237,-44.02 h0 r90
  text "C51" at -45.237,-44.02 h0 r90
  text "C51" at -45.237,-44.02 h0 r90
  text "R77" at -45.234,-44.02 h0 r90
  text "R77" at -45.234,-44.02 h0 r90
  text "R77" at -45.234,-44.02 h0 r90
  text "C47" at -45.231,-44.022 h0 r90
  text "C47" at -45.231,-44.022 h0 r90
  text "C47" at -45.231,-44.022 h0 r90
  text "C48" at -45.23,-44.021 h0
  text "C48" at -45.23,-44.021 h0
  text "C48" at -45.23,-44.021 h0
  text "C49" at -45.23,-44.021 h0 r90
  text "C49" at -45.23,-44.021 h0 r90
  text "C49" at -45.23,-44.021 h0 r90
  text "U7" at -45.225,-44.01 h0
  text "U7" at -45.225,-44.01 h0
  text "U7" at -45.225,-44.01 h0
  text "R74" at -45.225,-44.006 h0 r90
  text "R74" at -45.225,-44.006 h0 r90
  text "R74" at -45.225,-44.006 h0 r90
  text "R72" at -45.222,-44.012 h0
  text "R73" at -45.222,-44.015 h0
  text "R72" at -45.222,-44.012 h0
  text "R73" at -45.222,-44.015 h0
  text "R73" at -45.222,-44.015 h0
  text "R72" at -45.222,-44.012 h0
  text "ANT1" at -45.221,-44.018 h0
  text "ANT1" at -45.221,-44.018 h0
  text "ANT1" at -45.221,-44.018 h0
Mechanical 9:
  lines w0: -45.294,-44.024 ccw(c-45.293,-44.024) -45.293,-44.025 ; -45.294,-44.024 ccw(c-45.293,-44.024) -45.293,-44.025 ; -45.294,-44.024 ccw(c-45.293,-44.024) -45.293,-44.025 ; -45.293,-44.025 -45.218,-44.025 ; -45.294,-44.024 -45.294,-43.97 ; -45.293,-44.025 -45.218,-44.025 ; -45.294,-44.024 -45.294,-43.97 ; -45.294,-44.024 -45.294,-43.97 ; -45.293,-44.025 -45.218,-44.025 ; -45.294,-43.97 -45.294,-43.969 ; -45.294,-43.97 -45.294,-43.969 ; -45.294,-43.97 -45.294,-43.969 ; -45.294,-43.969 -45.294,-43.967 ; -45.294,-43.969 -45.294,-43.967 ; -45.294,-43.969 -45.294,-43.967 ; -45.294,-43.967 cw(c-45.293,-43.967) -45.293,-43.966 ; -45.294,-43.967 cw(c-45.293,-43.967) -45.293,-43.966 ; -45.294,-43.967 cw(c-45.293,-43.967) -45.293,-43.966 ; -45.293,-43.966 -45.218,-43.966 ; -45.293,-43.966 -45.218,-43.966 ; -45.293,-43.966 -45.218,-43.966 ; -45.264,-44.001 -45.264,-43.987 ; -45.264,-44.001 -45.25,-44.001 ; -45.264,-44.001 -45.264,-43.987 ; -45.264,-44.001 -45.25,-44.001 ; -45.264,-44.001 -45.25,-44.001 ; -45.264,-44.001 -45.264,-43.987 ; -45.264,-43.987 -45.25,-43.987 ; -45.264,-43.987 -45.25,-43.987 ; -45.264,-43.987 -45.25,-43.987 ; -45.25,-44.001 -45.25,-43.987 ; -45.25,-44.001 -45.25,-43.987 ; -45.25,-44.001 -45.25,-43.987 ; -45.218,-44.025 ccw(c-45.218,-44.024) -45.217,-44.024 ; -45.218,-44.025 ccw(c-45.218,-44.024) -45.217,-44.024 ; -45.218,-44.025 ccw(c-45.218,-44.024) -45.217,-44.024 ; -45.218,-43.966 ccw(c-45.218,-43.966) -45.218,-43.966 ; -45.218,-43.966 ccw(c-45.218,-43.966) -45.218,-43.966 ; -45.218,-43.966 cw(c-45.218,-43.968) -45.217,-43.968 ; -45.218,-43.966 ccw(c-45.218,-43.966) -45.218,-43.966 ; -45.218,-43.966 ccw(c-45.218,-43.966) -45.218,-43.966 ; -45.218,-43.966 ccw(c-45.218,-43.966) -45.218,-43.966 ; -45.218,-43.966 ccw(c-45.218,-43.966) -45.218,-43.966 ; -45.218,-43.966 cw(c-45.218,-43.968) -45.217,-43.968 ; -45.218,-43.966 ccw(c-45.218,-43.966) -45.218,-43.966 ; -45.218,-43.966 ccw(c-45.218,-43.966) -45.218,-43.966 ; -45.218,-43.966 ccw(c-45.218,-43.966) -45.218,-43.966 ; -45.218,-43.966 ccw(c-45.218,-43.966) -45.218,-43.966 ; -45.218,-43.966 cw(c-45.218,-43.968) -45.217,-43.968 ; -45.218,-43.966 ccw(c-45.218,-43.966) -45.218,-43.966 ; -45.218,-43.966 ccw(c-45.218,-43.966) -45.218,-43.966 ; -45.217,-44.024 -45.217,-43.97 ; -45.217,-44.024 -45.217,-43.97 ; -45.217,-44.024 -45.217,-43.97 ; -45.217,-43.97 -45.217,-43.969 ; -45.217,-43.97 -45.217,-43.969 ; -45.217,-43.97 -45.217,-43.969 ; -45.217,-43.969 -45.217,-43.968 ; -45.217,-43.969 -45.217,-43.968 ; -45.217,-43.969 -45.217,-43.968
Mechanical 10:
  drawing of 201 lines, arcs and shapes, not listed
Mechanical 11:
  drawing of 498 lines, arcs and shapes, not listed
  text "M1" at -45.286,-44.019 h0
  text "M1" at -45.286,-44.019 h0
  text "M1" at -45.286,-44.019 h0
Mechanical 12:
  drawing of 372 lines, arcs and shapes, not listed
Mechanical 13:
  drawing of 1761 lines, arcs and shapes, not listed
Mechanical 14:
  drawing of 459 lines, arcs and shapes, not listed
Mechanical 15:
  drawing of 1848 lines, arcs and shapes, not listed
Mechanical 16:
  lines w0: -45.292,-43.984 ccw(c-45.292,-43.984) -45.292,-43.984 ; -45.292,-43.984 ccw(c-45.292,-43.984) -45.292,-43.984 ; -45.292,-43.984 ccw(c-45.292,-43.984) -45.292,-43.984 ; -45.292,-43.984 -45.292,-43.983 ; -45.292,-43.984 -45.292,-43.983 ; -45.292,-43.984 -45.292,-43.983 ; -45.292,-43.984 -45.292,-43.983 ; -45.292,-43.984 -45.292,-43.983 ; -45.292,-43.984 -45.292,-43.983 ; -45.292,-43.983 ccw(c-45.292,-43.983) -45.292,-43.983 ; -45.292,-43.983 ccw(c-45.292,-43.983) -45.292,-43.983 ; -45.292,-43.983 ccw(c-45.292,-43.983) -45.292,-43.983 ; -45.292,-43.978 ccw(c-45.292,-43.978) -45.292,-43.978 ; -45.292,-43.978 ccw(c-45.292,-43.978) -45.292,-43.978 ; -45.292,-43.978 ccw(c-45.292,-43.978) -45.292,-43.978 ; -45.292,-43.978 -45.292,-43.977 ; -45.292,-43.978 -45.292,-43.977 ; -45.292,-43.978 -45.292,-43.977 ; -45.292,-43.978 -45.292,-43.977 ; -45.292,-43.978 -45.292,-43.977 ; -45.292,-43.978 -45.292,-43.977 ; -45.292,-43.977 ccw(c-45.292,-43.977) -45.292,-43.977 ; -45.292,-43.977 ccw(c-45.292,-43.977) -45.292,-43.977 ; -45.292,-43.977 ccw(c-45.292,-43.977) -45.292,-43.977 ; -45.23,-43.968 ccw(c-45.23,-43.968) -45.23,-43.968 ; -45.23,-43.969 ccw(c-45.23,-43.969) -45.23,-43.969 ; -45.23,-43.968 ccw(c-45.23,-43.968) -45.23,-43.968 ; -45.23,-43.969 ccw(c-45.23,-43.969) -45.23,-43.969 ; -45.23,-43.969 ccw(c-45.23,-43.969) -45.23,-43.969 ; -45.23,-43.968 ccw(c-45.23,-43.968) -45.23,-43.968 ; -45.23,-43.969 -45.23,-43.968 ; -45.23,-43.969 -45.23,-43.968 ; -45.23,-43.969 -45.23,-43.968 ; -45.23,-43.969 -45.23,-43.968 ; -45.23,-43.969 -45.23,-43.968 ; -45.23,-43.969 -45.23,-43.968 ; -45.224,-43.968 ccw(c-45.224,-43.968) -45.224,-43.968 ; -45.224,-43.969 ccw(c-45.224,-43.969) -45.224,-43.969 ; -45.224,-43.968 ccw(c-45.224,-43.968) -45.224,-43.968 ; -45.224,-43.969 ccw(c-45.224,-43.969) -45.224,-43.969 ; -45.224,-43.969 ccw(c-45.224,-43.969) -45.224,-43.969 ; -45.224,-43.968 ccw(c-45.224,-43.968) -45.224,-43.968 ; -45.224,-43.969 -45.224,-43.968 ; -45.224,-43.969 -45.224,-43.968 ; -45.224,-43.969 -45.224,-43.968 ; -45.224,-43.969 -45.224,-43.968 ; -45.224,-43.969 -45.224,-43.968 ; -45.224,-43.969 -45.224,-43.968
  lines w0.001: -45.289,-44.007 cw(c-45.289,-44.006) -45.289,-44.006 ; -45.289,-44.007 ccw(c-45.289,-44.006) -45.289,-44.006 ; -45.289,-44.007 cw(c-45.289,-44.006) -45.289,-44.006 ; -45.289,-44.007 ccw(c-45.289,-44.006) -45.289,-44.006 ; -45.289,-44.007 ccw(c-45.289,-44.006) -45.289,-44.006 ; -45.289,-44.007 cw(c-45.289,-44.006) -45.289,-44.006 ; -45.289,-43.999 ccw(c-45.289,-43.999) -45.289,-43.999 ; -45.289,-43.999 ccw(c-45.289,-43.999) -45.289,-43.999 ; -45.289,-43.999 ccw(c-45.289,-43.999) -45.289,-43.999 ; -45.289,-43.999 ccw(c-45.289,-43.999) -45.289,-43.999 ; -45.289,-43.999 ccw(c-45.289,-43.999) -45.289,-43.999 ; -45.289,-43.999 ccw(c-45.289,-43.999) -45.289,-43.999
  lines w0.002: -45.291,-44.022 cw(c-45.291,-44.022) -45.29,-44.022 ; -45.291,-44.022 ccw(c-45.291,-44.022) -45.29,-44.022 ; -45.291,-44.022 cw(c-45.291,-44.022) -45.29,-44.022 ; -45.291,-44.022 ccw(c-45.291,-44.022) -45.29,-44.022 ; -45.291,-44.022 ccw(c-45.291,-44.022) -45.29,-44.022 ; -45.291,-44.022 cw(c-45.291,-44.022) -45.29,-44.022 ; -45.291,-43.969 cw(c-45.291,-43.969) -45.29,-43.969 ; -45.291,-43.969 ccw(c-45.291,-43.969) -45.29,-43.969 ; -45.291,-43.969 cw(c-45.291,-43.969) -45.29,-43.969 ; -45.291,-43.969 ccw(c-45.291,-43.969) -45.29,-43.969 ; -45.291,-43.969 ccw(c-45.291,-43.969) -45.29,-43.969 ; -45.291,-43.969 cw(c-45.291,-43.969) -45.29,-43.969 ; -45.22,-44.022 cw(c-45.22,-44.022) -45.219,-44.022 ; -45.22,-44.022 ccw(c-45.22,-44.022) -45.219,-44.022 ; -45.22,-44.022 cw(c-45.22,-44.022) -45.219,-44.022 ; -45.22,-44.022 ccw(c-45.22,-44.022) -45.219,-44.022 ; -45.22,-44.022 ccw(c-45.22,-44.022) -45.219,-44.022 ; -45.22,-44.022 cw(c-45.22,-44.022) -45.219,-44.022 ; -45.22,-43.969 cw(c-45.22,-43.969) -45.219,-43.969 ; -45.22,-43.969 ccw(c-45.22,-43.969) -45.219,-43.969 ; -45.22,-43.969 cw(c-45.22,-43.969) -45.219,-43.969 ; -45.22,-43.969 ccw(c-45.22,-43.969) -45.219,-43.969 ; -45.22,-43.969 ccw(c-45.22,-43.969) -45.219,-43.969 ; -45.22,-43.969 cw(c-45.22,-43.969) -45.219,-43.969

## Text inside footprints (layer, text, board x,y; h text height)
J10: Bottom Overlay "+" at 5.205,41.446 h1 r270
U5: Bottom Overlay "*" at 10.033,52.629 h1.02 r90